# Altium PCB 小车PCB升级.PcbDoc (part 3 of 3) (continued)
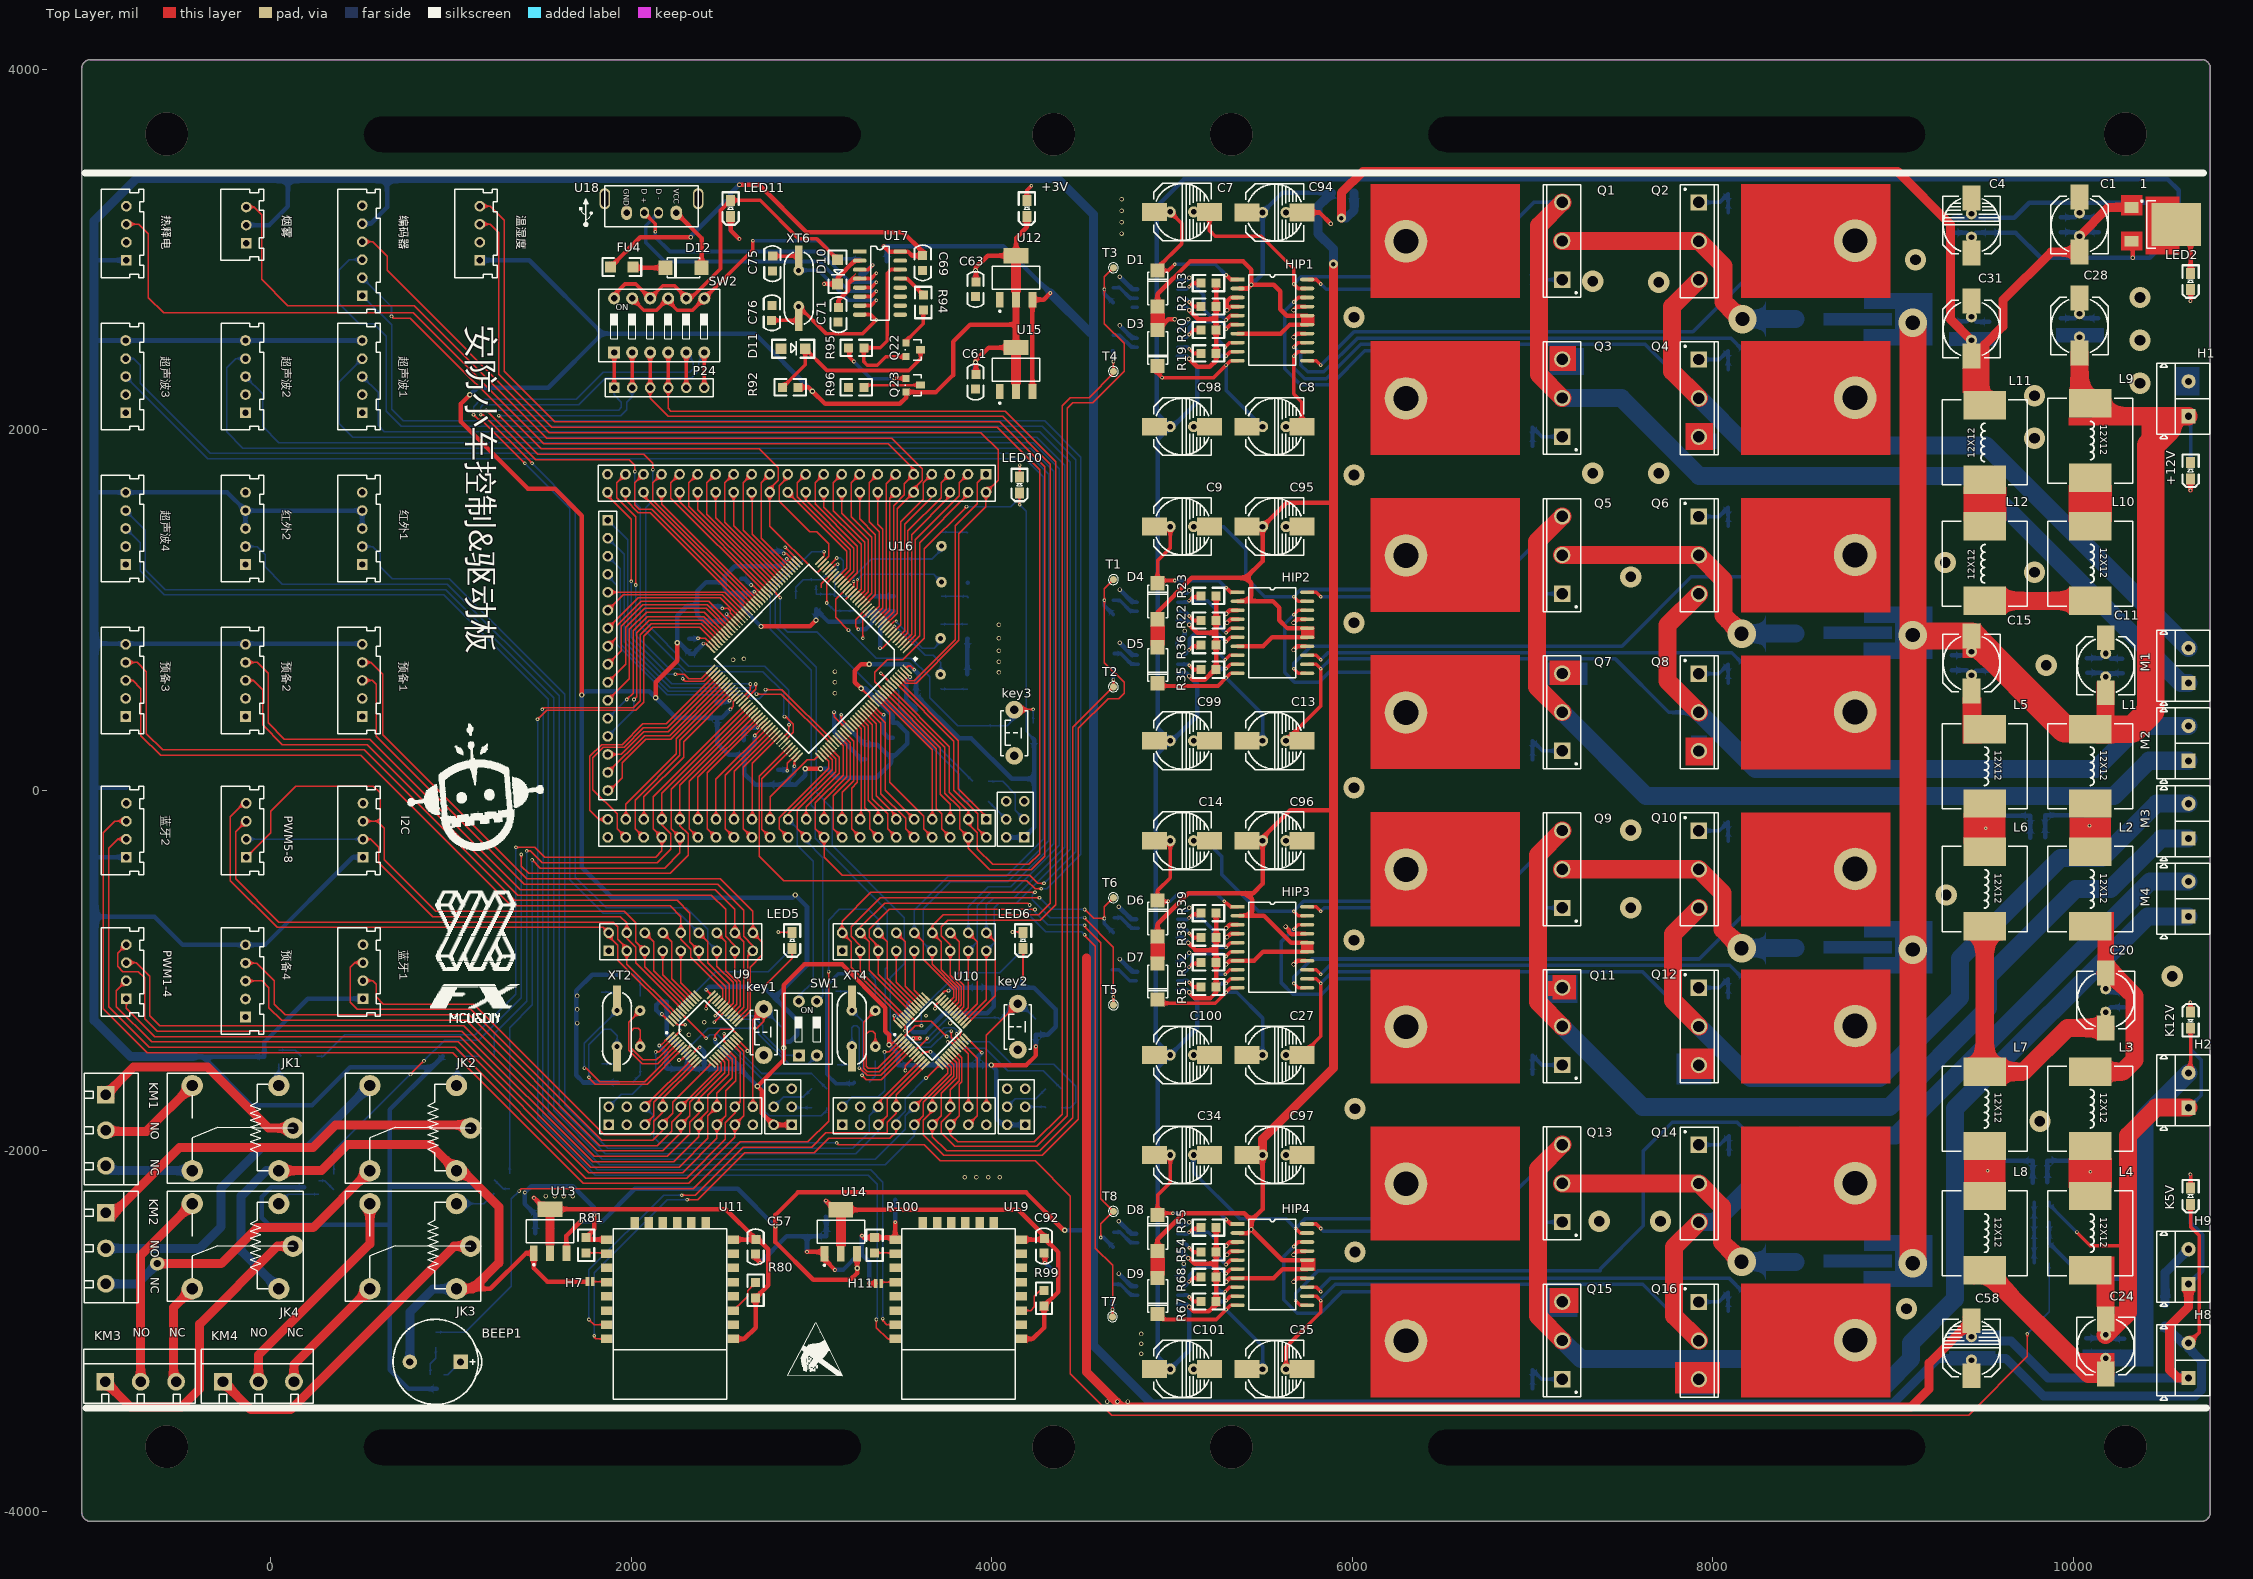
[diagram p0: Top Layer view]
## Nets (pads, with @x,y where several pads share a name; then routed paths per layer and width w, separated by ;. In a path a pad name is that pad's centre, name@x,y a point inside that pad or via, vN(x,y) a via of type N, cw(c..) or ccw(c..) an arc to the next point about the centre after c; other vN are vias at no path point) (continued)
PG6: P27.34 U16.91 | length 863.8
  Top Layer w8: P27.34@2370,-260 2321.95,-211.95 2321.95,52.57 U16.91@2697.64,428.26
PG7: P27.33 U16.92 | length 715.8
  Top Layer w8: P27.33@2370,-160 2370,72.78 U16.92@2704.49,407.27 U16.92@2711.56,414.34
PG8: P27.32 U16.93 | length 806.3
  Top Layer w8: P27.32@2470,-260 2421.95,-211.95 2421.95,97.34 2725.04,400.42 U16.93@2725.48,400.42
PG9: P27.14 U16.124 | length 711.8
  Top Layer w8: U16.124@3246.07,400.42 3295,351.49 3295,-95 3321.95,-121.95 3321.95,-211.95 P27.14@3370,-260
PG10: P27.13 U16.125 | length 619.9
  Top Layer w8: U16.125@3259.99,414.34 U16.125@3267.06,407.27 3315,359.33 3315,-55 3370,-110 P27.13@3370,-160
PG11: P27.12 U16.126 | length 769.5
  Top Layer w8: U16.126@3273.91,428.26 3336.95,365.22 3336.95,-45 3421.95,-130 3421.95,-211.95 P27.12@3470,-260
PG12: P27.11 U16.127 | length 677.6
  Top Layer w8: U16.127@3287.83,442.18 3360,370.01 3360,-30 3470,-140 P27.11@3470,-160
PG13: P27.10 U16.128 | length 827.2
  Top Layer w8: U16.128@3301.75,456.1 3385,372.85 3385,-18.05 3521.95,-155 3521.95,-211.95 P27.10@3570,-260
PG14: P27.9 U16.129 | length 735.4
  Top Layer w8: U16.129@3315.67,470.02 3410,375.69 3410,0 P27.9@3570,-160
PG15: P27.8 U16.132 | length 901.3
  Top Layer w8: U16.132@3357.42,511.78 3435,434.2 3435,45 3621.95,-141.95 3621.95,-211.95 P27.8@3670,-260
RESET: C93.1 key3.1 R101.1 U16.25 | length 1732.4
  Top Layer w8: U16.25@3190.39,1115.88 3135,1060.49 3135,960 v1(3205,890) ; key3.1@4125,447.95 4127.05,450 v1(4230,450)
  Bottom Layer w8: v1(3205,890) 3360,735 3550,735 3655,630 3655,515 3810,360 C93.1@4020,360 4085,360 4125,400 key3.1@4125,447.95 ; R101.1@4230,372.64 v1(4230,450)
VCC3.3V: +3V.1 C36.2 C37.2 C38.2 C39.2 C40.2 C41.2 C42.2 C43.2 C44.2 C45.2 C61.2 C62.2 C63.2 C64.2 C74.1 C81.2 C82.2 C83.2 C84.2 C85.2 C86.2 C87.2 C88.2 C89.2 C90.2 C91.2 LED5.1 LED6.1 LED10.1 P12.1 P12.2 P13.1 P13.2 P29.1 P29.2 Q23.2 R74.2 R75.2 R92.2 R98.2 R101.2 U9.1 U9.9 U9.24 U9.36 U9.48 U10.1 U10.9 U10.24 U10.36 U10.48 U12.2 U15.2 U16.6 U16.17 U16.39 U16.52 U16.62 U16.72 U16.84 U16.95 U16.108 U16.121 U16.131 U16.144 温湿度.1 | length 31371.6
  Top Layer w8: v1(2735,-1090) 2892.94,-932.06 LED5.1@2892.94,-877.06 ; LED10.1@4153.8,1650 4153.8,1586.2 v1(4155,1585)
  Top Layer w10: v1(2155,-1415) 2162.26,-1415 U9.1@2215.5,-1361.77 ; v1(2170,-1240) 2170,-1241.11 U9.48@2215.5,-1286.6 ; U9.9@2326.85,-1473.12 2374.98,-1425 v1(2380,-1425) ; v1(2400,815) 2413.91,815 U16.72@2440.02,788.89 U16.72@2447.09,781.82 ; v1(2415,-1105) 2443.49,-1133.49 U9.36@2443.77,-1133.49 ; v1(2465,-1380.31) 2465,-1355.15 2495.15,-1325 2560.12,-1325 U9.24@2596.89,-1361.77 ; v1(2529.09,978.65) 2529.09,978.21 U16.62@2579.22,928.08 U16.62@2586.29,921.01 ; v1(2550,450) 2566,466 2566,491.49 U16.84@2600.21,525.7 ; v1(2682.84,1102.84) U16.52@2725.48,1060.21 ; v1(2685,305) 2752.59,372.59 U16.95@2753.32,372.59 ; v1(2862.59,1285) U16.39@2906.43,1241.16 ; v1(2905,135) 2905,162.36 U16.108@2927.2,184.56 U16.108@2934.27,191.63 ; v1(3165,420) 3165,397.98 U16.121@3204.31,358.67 ; v1(3260,895) 3245,910 3245,947.78 U16.17@3301.75,1004.53 ; v4(3275,566.37) U16.131@3343.5,497.86 ; v1(3380,790) 3393.45,790 U16.6@3454.86,851.41 ; v4(3430,-1410) 3442.26,-1410 U10.1@3480.5,-1371.77 ; v1(3460,-1249.93) 3456.97,-1252.96 3456.97,-1273.08 U10.48@3480.5,-1296.6 ; U16.144@3524.46,678.81 3535.64,690 3550,690 v1(3570,670) ; U10.9@3591.85,-1483.12 3624.98,-1450 v1(3660,-1450) ; U10.36@3708.77,-1143.49 3740,-1112.26 3757.74,-1112.26 v1(3760,-1110) ; U10.24@3861.89,-1371.77 v1(3945.12,-1455) ; v1(4170,-1040) 4173.8,-1036.2 LED6.1@4173.8,-877.06
  Top Layer w25: v4(1105,2195) 1055,2145 1055,2045 1425,1675 1575,1675 1725,1525 v4(1725,530) ; v4(2135,515) 2135,600 2255,720 v4(2255,820) ; v4(2720,910) 2990,910 v4(3025,945) ; P12.1@2890,-1855 P12.2@2790,-1855 2725,-1790 2725,-1665 v4(2700,-1640) 2845,-1495 v4(2845,-1428.18) 2845,-1080 2960,-965 3170,-965 3410,-1205 3410,-1335 3430,-1355 v4(3430,-1410) ; R92.2@2925,2237.06 2982.94,2237.06 v4(3005,2215) 3075,2145 3490,2145 3525,2180 Q23.2@3525,2210.56 ; v4(2965,120) v4(3050,120) ; v4(3275,566.37) 3240,601.37 3240,665 3275,700 v4(3320,700) ; Q23.2@3525,2211.06 Q23.2@3525,2210.56 ; C61.2@3912,2308.36 v4@3912,2375 ; v4@3912,2387 3982.05,2457.05 U15.2@4135.17,2457.05 4135.17,2585 ; C63.2@3912,2822 3912,2902 3977.05,2967.05 U12.2@4135.17,2967.05 4135.17,3065.17 4195,3125 +3V.1@4195,3184 ; v4(3997,-1523) 4192,-1523 4245,-1470 v1(4245,-1420) ; U12.2@4135.17,2722.95 4135.17,2585 ; Q23.2@3525,2210.56 3690.56,2210.56 3785,2305 3785,2490 3880,2585 4135.17,2585
  Bottom Layer w8: v1(4155,1585) 4190,1550 4190,327.64 R101.2@4230,287.64
  Bottom Layer w25: v4(1105,2195) 1145,2235 1540,2235 1840,2535 ; 温湿度.1@1160,2941.77 1433.23,2941.77 1840,2535 ; v1(2155,-1415) 2195,-1455 C41.2@2195,-1540 2200,-1545 2310,-1545 ; v1(2170,-1240) 2160,-1240 2140,-1220 2140,-1190 2158,-1172 C38.2@2197,-1172 2197,-1352 2310,-1465 2310,-1545 ; v1(2380,-1425) 2405,-1450 C40.2@2405,-1545 ; v1(2400,815) 2345,760 C88.2@2325,760 2255,830 2255,970 2310,1025 2365,1025 ; v1(2415,-1105) 2432,-1088 C36.2@2630,-1088 2733,-1088 v1(2735,-1090) 2795,-1150 ; v1(2465,-1380.31) 2465,-1395 2605,-1535 C39.2@2605,-1545 ; v1(2529.09,978.65) 2530,977.74 2530,960 2510,940 C74.1@2455,940 2400,940 2365,975 2365,1025 ; v1(2550,450) 2503,403 C91.2@2477,403 ; v1(2682.84,1102.84) 2673,1093 C87.2@2612,1093 ; v1(2685,305) 2685,256 C90.2@2627,198 ; v4(2700,-1640) C39.2@2605,-1545 ; v4(2720,910) 2612,1018 C87.2@2612,1093 ; v4(2845,-1428.18) R74.2@2845,-1395 2880,-1395 2920,-1355 2920,-1275 2795,-1150 ; v1(2862.59,1285) 2862.59,1282.59 2825,1245 C89.2@2785,1245 2575,1245 2520,1190 2520,1155 ; v1(2905,135) 2905,95 2843,33 ; v4(2965,120) 2965,85 2913,33 2843,33 ; v4(3005,2215) 2685,2535 1840,2535 ; v4(3025,945) R98.2@3025,1004.64 3094.64,935 3265,935 3320,990 C85.2@3345,990 ; v4(3050,120) 3087.5,120 3137.5,70 3360,70 3440,150 3440,195 ; v1(3165,420) 3165,385 C82.2@3295,255 3365,255 3425,195 3440,195 ; v1(3260,895) 3300,895 3345,940 C85.2@3345,990 ; v4(3275,566.37) 3297.48,566.37 3450,413.84 C81.2@3450,375 3475,375 3530,320 3530,260 3465,195 3440,195 ; v4(3320,700) 3540,700 v1(3570,670) 3595,645 3595,620 3580,605 C83.2@3580,530 3820,290 3885,290 4110,65 4235,65 ; v1(3380,790) 3380,918 C84.2@3457,995 C85.2@3350,995 C85.2@3345,990 ; v4(3430,-1410) 3480,-1460 C37.2@3480,-1523 C42.2@3923,-1523 ; v1(3460,-1249.93) 3510,-1249.93 3537,-1222.93 ; C44.2@3537,-1177 3537,-1222.93 ; v1(3660,-1450) 3703,-1493 C45.2@3703,-1513 ; v1(3760,-1110) 3777,-1093 C43.2@3920,-1093 4010,-1093 ; C62.2@3908,2310 3908,2373 v4(3910,2375) ; C64.2@3908,2822 3910,2824 v4(3910,2885) ; v1(3945.12,-1455) 3945,-1455 3923,-1477 C42.2@3923,-1523 ; P29.2@4080,-260 P29.1@4180,-260 4235,-205 4235,65 ; v1(4170,-1040) 4170,-1093 ; P13.1@4185,-1855 P13.2@4085,-1855 4060,-1855 4025,-1820 4025,-1551 v4(3997,-1523) C42.2@3923,-1523 ; R101.2@4230,287.64 4235,282.64 4235,65 ; v1(4245,-1420) R75.2@4245,-1355 4310,-1355 4355,-1310 4355,-1215 4233,-1093 4170,-1093 ; 2310,-1545 C40.2@2405,-1545 ; 2365,1025 2365,1105 2415,1155 2520,1155 ; C40.2@2405,-1545 C39.2@2605,-1545 ; C91.2@2477,403 2247,403 v4(2135,515) 2100,550 1745,550 v4(1725,530) 1725,-425 1895,-595 2895,-595 v4(2910,-580) 2975,-645 2975,-970 2795,-1150 ; C91.2@2477,403 2477,261 2540,198 C90.2@2627,198 ; 2520,1155 2520,1120 2547,1093 C87.2@2612,1093 ; C90.2@2627,198 2627,93 2687,33 C86.2@2817,33 2843,33 ; 3537,-1222.93 3537,-1312 3565,-1340 3630,-1340 3735,-1235 3975,-1235 4010,-1200 4010,-1093 ; 4010,-1093 4170,-1093
VCC5V: C58.1 C59.2 C60.2 C69.1 C70.1 FU3.2 FU4.1 H8.2 I2C.1 K5V.1 Q17.1 Q18.1 Q19.1 Q20.1 Q21.1 R91.2 U12.3 U13.3 U14.3 U15.3 U17.16 烟雾.2 热释电.1 红外1.3 红外1.4 红外2.3 红外2.4 编码器.5@507.73,3145 蓝牙1.1 蓝牙2.1 超声波1.5 超声波2.5 超声波3.5 超声波4.5 预备1.5 预备2.5 预备3.5 预备4.5 | length 47632.7
  Top Layer w20: H8.2@10640,-3065 10700,-3005 10700,-2470 10651,-2421 K5V.1@10651,-2296
  Top Layer w25: U13.3@1640.55,-2567.05 1640.55,-2469.45 v2(1720,-2390) ; FU4.1@1885,2904.24 2050.76,3070 v2(2330,3070) ; v2(2600,3360) 2710,3360 2972.5,3097.5 3507.5,3097.5 3617,2988 C69.1@3617,2967 3558,2967 3535,2990 U17.16@3492.5,2990 3430,2990 v1(3400,3020) ; U14.3@3253.03,-2570.35 v4(3253.03,-2650) 3253.03,-2676.97 3215,-2715 3010,-2715 2800,-2505 v1(2800,-2420) 2800,-2355 2925,-2230 4190,-2230 4400,-2440 v4(4405,-2440) ; U15.3@4225.72,2212.95 U12.3@4225.72,2722.95 4287.95,2722.95 v1(4325,2760)
  Bottom Layer w25: -980,-700 -645,-700 -488.23,-856.77 预备4.5@-140,-856.77 -31.77,-856.77 455,-370 I2C.1@511.67,-370 ; -980,-380 -970,-370 蓝牙2.1@-801.06,-370 ; -980,815 503.49,815 预备1.5@507.73,810.76 ; -980,1645 -971.35,1653.65 超声波4.5@-805,1653.65 -240.74,1653.65 红外2.4@-140.24,1553.15 ; -980,2485 -968.47,2496.53 超声波3.5@-805,2496.53 超声波2.5@-140,2496.53 超声波1.5@507.73,2496.53 ; -980,2945 -976.77,2941.77 热释电.1@-801.06,2941.77 ; -970,15.73 -801.06,15.73 ; -430,-1477 -375,-1477 ; 红外2.3@-140,1453.65 -140.24,1453.88 红外2.4@-140.24,1553.15 ; 烟雾.2@-136.67,3136.85 -8.15,3136.85 95,3240 95,3395 ; Q21.1@185,-2202 3,-2202 -50,-2255 -50,-2370 -10,-2410 655,-2410 660,-2405 ; 红外1.3@507.73,1453.65 507.49,1453.88 红外1.4@507.49,1553.15 红外2.4@-140.24,1553.15 ; 编码器.5@507.73,3145 555,3145 645,3235 645,3395 ; 蓝牙1.1@511.67,-1155 205,-1155 -35,-1395 Q18.1@-35,-1477 -375,-1477 ; Q17.1@922,-3320 765,-3320 660,-3215 660,-2405 ; Q19.1@955,-1475 895,-1535 ; Q20.1@1160,-2197 668,-2197 660,-2205 ; v2(1720,-2390) 1840,-2390 2020,-2210 2590,-2210 v1(2800,-2420) ; v2(2330,3070) 2325,3070 2524,3269 R91.2@2550,3269 2550,3310 v2(2600,3360) ; C70.1@3418,2937 3418,3002 v1(3400,3020) 4065,3020 v1(4325,2760) ; v4(4405,-2440) 4540.98,-2440 4564,-2463.02 ; C59.2@9332,-3137 9411.83,-3137 C58.1@9435,-3160.17 9458.17,-3137 C60.2@9542,-3137 ; -375,-1477 -107,-1745 230,-1745 440,-1535 895,-1535 ; 660,-2405 660,-2205 ; 660,-2205 660,-1770 895,-1535
  Bottom Layer w50: -430,-1477 -778,-1477 -980,-1275 -980,-700 -980,-380 -980,815 -980,1645 -980,2485 -980,2945 -980,3160 -745,3395 95,3395 645,3395 4202.02,3395 4203.02,3396 4364,3396 4565,3195 4565,-2462.02 4564,-2463.02 4564,-3079 4890,-3405 8995,-3405 9250,-3150 9350,-3150 9360,-3160 ; v1(4325,2760) 4544,2541 ; C60.2@9528,-3150 9625,-3150 9835,-3360 10675,-3360 10710.37,-3324.63 10710.37,-3174.63 10715,-3170 10640,-3095 H8.2@10640,-3065 10605,-3065 FU3.2@10510,-2970
VDDA: C78.2 C79.2 H10.2 R98.1 U16.33 | length 611.6
  Top Layer w8: U16.33@3079.04,1227.24 3140,1288.2 v1(3140,1290)
  Bottom Layer w8: H10.2@3025,1140 R98.1@3025,1089.64 3119.36,1089.64 C78.2@3130,1079 ; v1(3140,1290) 3160,1290 3175,1275 3175,1225 3130,1180 C78.2@3130,1079 ; C79.2@3238,1079 C78.2@3130,1079
VREF+: C80.2 H10.1 U16.32 | length 432.6
  Top Layer w8: U16.32@3092.95,1213.32 3134.64,1255 v1(3145,1255)
  Bottom Layer w8: C80.2@2913,1064 C80.2@2913,1079 2913,1128 2955,1170 H10.1@3025,1170 3050,1170 3100,1220 3135,1220 3145,1230 v1(3145,1255)
公共: JK1.3 KM1.1 | length 1242.3
  Top Layer w50: KM1.1@-915,-1688.15 -761.85,-1535 -350,-1535 -11.73,-1873.27 JK1.3@123.74,-1873.27
公共1: JK2.3 KM2.1 | length 2233.8
  Top Layer w50: KM2.1@-915,-2343.15 -868.15,-2343.15 -505,-1980 235,-1980 360,-1855 1090.79,-1855 JK2.3@1109.06,-1873.27
公共2: JK3.3 KM4.1 | length 1813.8
  Top Layer w50: KM4.1@-265,-3280 -110,-3435 110,-3435 1016.73,-2528.27 JK3.3@1109.06,-2528.27
公共3: JK4.3 KM3.1 | length 1680.7
  Top Layer w50: KM3.1@-918.7,-3280 -778.7,-3420 -495,-3420 -395,-3320 -395,-2960 36.73,-2528.27 JK4.3@123.74,-2528.27
常开: JK1.5 KM1.2 | length 588
  Top Layer w50: KM1.2@-915,-1885 -908.27,-1891.73 -690,-1891.73 JK1.5@-435.32,-1637.05
常开1: JK2.5 KM2.2 | length 1965
  Bottom Layer w50: KM2.2@-915,-2540 -395,-2540 -275,-2420 -275,-2205 -50,-1980 207.05,-1980 JK2.5@550,-1637.05
常开2: JK3.5 KM4.2 | length 1244
  Top Layer w50: KM4.2@-68.15,-3280 -68.15,-3133.15 550,-2515 JK3.5@550,-2292.05
常开3: JK4.5 KM3.2 | length 1106.6
  Top Layer w50: KM3.2@-721.85,-3280 -721.85,-2578.58 JK4.5@-435.32,-2292.05
常闭: JK1.4 KM1.3 | length 491.1
  Bottom Layer w50: KM1.3@-915,-2081.85 -887.36,-2109.49 JK1.4@-435.32,-2109.49
常闭1: JK2.4 KM2.3 | length 1724.9
  Top Layer w50: v9(-630,-2625) -275,-2625 -75,-2425 234.49,-2425 JK2.4@550,-2109.49
  Bottom Layer w50: KM2.3@-915,-2736.85 -741.85,-2736.85 v9(-630,-2625)
常闭2: JK3.4 KM4.3 | length 690
  Top Layer w50: KM4.3@128.7,-3280 128.7,-3185.79 JK3.4@550,-2764.49
常闭3: JK4.4 KM3.3 | length 565.1
  Top Layer w50: KM3.3@-525,-3280 -540,-3265 -540,-2869.17 JK4.4@-435.32,-2764.49
控地: 2.1 BEEP1.2 C36.1 C37.1 C38.1 C39.1 C40.1 C41.1 C42.1 C43.1 C44.1 C45.1 C47.1 C48.1 C49.1 C50.1 C51.2 C52.2 C53.1 C54.1 C55.1 C56.1 C57.1 C58.2 C59.1 C60.1 C61.1 C62.1 C63.1 C64.1 C65.1 C66.1 C67.1 C68.1 C69.2 C70.2 C71.2 C72.1 C73.1 C74.2 C75.1 C76.1 C77.1 C80.1 C81.1 C82.1 C83.1 C84.1 C85.1 C86.1 C87.1 C88.1 C89.1 C90.1 C91.1 C92.1 C93.2 H7.1 H8.1 H9.1 H11.1 I2C.4 JK1.1 JK2.1 JK3.1 JK4.1 key1.2 key2.2 key3.2 P1.1 P2.1 P2.3 P2.4 P2.17 P5.1 P5.3 P5.4 P5.17 P6.1 P12.5 P12.6 P13.5 P13.6 P26.43 P27.44 P29.5 P29.6 R81.1 R83.1 R84.1 R100.1 U1.3 U2.3 U3.3 U4.3 U5.3 U6.3 U7.3 U8.3 U9.8 U9.23 U9.35 U9.47 U10.8 U10.23 U10.35 U10.47 U11.15 U12.1 U13.1 U14.1 U15.1 U16.16 U16.31 U16.38 U16.51 U16.61 U16.71 U16.83 U16.94 U16.107 U16.120 U16.130 U16.143 U17.1 U18.4 U18.5 U18.6 U19.15 温湿度.2 烟雾.1 热释电.2 红外1.1 红外1.5 红外2.1 红外2.5 编码器.5@507.73,3245 蓝牙1.4 蓝牙2.4 超声波1.1 超声波2.1 超声波3.1 超声波4.1 预备1.1 预备2.1 预备3.1 预备4.1 | length 23663.1
  Top Layer w8: U9.47@2229.41,-1272.69 2256.73,-1300 v1(2300,-1300) ; v1(2265,-1495) 2277.14,-1495 U9.8@2312.93,-1459.21 ; v1(2370,845) 2411.75,845 U16.71@2453.94,802.81 U16.71@2461.01,795.74 ; v1(2415,-1210) 2415,-1190.1 U9.35@2457.69,-1147.41 ; v1(2505.14,1010) 2505.27,1010.14 2534.86,1010.14 2549.09,995.91 2549.09,986.05 U16.61@2593.14,942 U16.61@2600.21,934.93 ; v1(2545,498.33) U16.83@2586.29,539.62 ; U9.23@2582.97,-1375.69 2645,-1437.72 v1(2645,-1445) ; v1(2665,1140) 2673.97,1140 2739.4,1074.57 U16.51@2739.4,1074.13 ; v7(2700,347.1) U16.94@2732.33,379.43 2739.4,386.51 U16.94@2739.85,386.51 ; v1(2845,1315) 2860.88,1315 2882.59,1293.28 2882.59,1292.84 U16.38@2913.28,1262.15 U16.38@2920.35,1255.08 ; v1(2865,110) 2865,150.2 U16.107@2913.28,198.48 U16.107@2920.35,205.55 ; 3055,1125 3055,1147.53 U16.31@3113.95,1206.47 ; v1(3125,435) 3125,409.69 3189.95,344.75 U16.120@3190.39,344.75 ; v1(3285,845) 3285,959.94 U16.16@3315.67,990.61 ; U16.130@3329.59,483.94 3329.59,483.5 3393.08,420 v1(3400,420) ; U10.47@3494.41,-1282.69 3520,-1308.27 3520,-1331.72 v1(3518.21,-1333.51) ; U16.143@3510.54,664.89 3545.9,629.53 v1(3546.76,629.53) ; v1(3521,-1553.53) 3520,-1552.53 3520,-1527.14 U10.8@3577.93,-1469.21 ; v1(3685,-1210) 3685,-1195.1 U10.35@3722.69,-1157.41 ; v1(3825.88,-1334.12) 3825.44,-1334.56 3825.44,-1363.16 U10.23@3847.97,-1385.69
  Top Layer w20: U13.1@1459.45,-2600 U13.1@1459.45,-2567.05
  Top Layer w25: 1120.51,-2764.49 1218.31,-2764.49 1415.75,-2567.05 U13.1@1459.45,-2567.05 ; U13.1@1459.45,-2600 1459.45,-2649.45 1535,-2725 1745,-2725 ; v1(1795,-2355) 1795,-2435 R81.1@1750,-2480 1761.3,-2491.3 U11.15@1865,-2491.3 ; C57.1@2690,-2572 2690,-2595 v1(2715,-2620) ; v1(2975,-2560) 3061.57,-2560 U14.1@3071.93,-2570.35 3071.93,-2601.93 v1(3130,-2660) ; v1(3280,-2470) 3290,-2480 R100.1@3350,-2480 3452.91,-2480 U19.15@3464.21,-2491.3 3464.21,-2395.79 v1(3465,-2395) ; v1(3320,-2735) H11.1@3357.06,-2735 ; v1(3565,-1375) v1(3600,-1375) ; C92.1@4290,-2567 4295,-2572 v1(4295,-2620)
  Top Layer w50: JK1.1@45,-2109.49 280.51,-2109.49 425,-1965 885.83,-1965 JK2.1@1030.31,-2109.49 1064.49,-2109.49 1265,-2310 1265,-2620 1120.51,-2764.49 JK3.1@1030.31,-2764.49 ; 4525,-930 4525,-3225 4693.75,-3393.75 4720,-3420 9100,-3420 9200,-3320 9200,-3177.17 C58.2@9435,-2942.17 ; H8.1@10640,-3258.7 10578.7,-3258.7 10535,-3215 10535,-2970 10640,-2865 H9.1@10640,-2738.7
  Bottom Layer w8: v1(3518.21,-1333.51) v1@3521.49,-1333.51
  Bottom Layer w20: C49.1@3238,-1620 3232,-1626 3136,-1626 3085,-1575 3085,-1080 3148,-1017 C55.1@3238,-1017 ; U4.3@4780,750 U4.3@4807.5,750 ; U3.3@4780,1045 U3.3@4807.5,1045 ; U2.3@4780,2510 U2.3@4807.5,2510
  Bottom Layer w25: C66.1@1468,-2457 C65.1@1468,-2352 1410,-2294 v1(1410,-2230) 1445,-2195 1675,-2195 1795,-2315 v1(1795,-2355) ; C47.1@1925,-1620 1735,-1620 1695,-1580 1695,-1110 1783,-1022 C53.1@1928,-1022 ; C88.1@2323,842 2367,842 v1(2370,845) ; C74.2@2453,1022 2493.14,1022 v1(2505.14,1010) ; C91.1@2475,485 2475,491 2537.67,491 v1(2545,498.33) ; C87.1@2610,1175 2630,1175 v1(2665,1140) ; C90.1@2625,280 2625,335 2637.1,347.1 v7(2700,347.1) ; v1(2715,-2620) 2863,-2472 2975,-2472 ; C89.1@2783,1327 2833,1327 v1(2845,1315) ; C86.1@2815,115 2860,115 v1(2865,110) ; v1(2975,-2560) 2975,-2472 ; C67.1@3080,-2365 3082.19,-2367.19 C68.1@3082.19,-2472 2975,-2472 ; v1(3125,435) 3125,325 3277,173 C82.1@3297,173 ; v1(3130,-2660) 3175,-2660 3270,-2565 3280,-2575 ; v1(3280,-2470) 3280,-2575 ; v1(3320,-2735) 3320,-2615 3280,-2575 ; C85.1@3348,1077 C84.1@3455,1077 ; v1(3400,420) 3400,320 3427,293 C81.1@3452,293 ; v1(3465,-2395) 3465,-2270 ; 3525,-1375 v1(3565,-1375) ; v1(3546.76,629.53) 3546.76,626.76 3525,605 3525,505 C83.1@3582,448 ; C72.1@3865,645 3865,841 C73.1@3867,843 ; C77.1@3867,1153 C77.1@3868,1152 ; v1(4295,-2620) 4330,-2655 ; v2(4705,-2680) 4775,-2750 U8.3@4802.5,-2750 ; v2(4705,-2390) 4775,-2460 U7.3@4802.5,-2460 ; v2(4705,-645) 4775,-715 U5.3@4802.5,-715 ; v2(4710,-935) 4780,-1005 U6.3@4807.5,-1005 ; v2(4710,820) U4.3@4780,750 ; v2(4710,1115) U3.3@4780,1045 ; v2(4710,2580) U2.3@4780,2510 ; v2(4710,2850) 4780,2780 U1.3@4807.5,2780 ; C59.1@9330,-3055 9410.17,-3055 C58.2@9435,-3030.17 9459.83,-3055 C60.1@9540,-3055 ; H9.1@10640,-2738.7 10715,-2663.7 10715,-2465 10651,-2401 R84.1@10651,-2290
  Bottom Layer w50: JK4.1@45,-2764.49 -165,-2554.49 -165,-2250 -24.49,-2109.49 JK1.1@45,-2109.49 ; BEEP1.2@771.41,-3170 771.41,-2893.59 900.51,-2764.49 JK3.1@1030.31,-2764.49 ; C60.1@9540,-3055 9655,-3055 9858.7,-3258.7 H8.1@10640,-3258.7
  other v1: 3635,-1250
  other v2: 4640,-3390 4697.5,-3390 4755,-3390 4830,-3125 4830,-3070 4830,-3015 1525,-2250 1575,-2250 1625,-2250 1675,-2250 3850,-2145 3915,-2145 3980,-2145 4045,-2145 2320,-1355 1700,-1290 3770,-1290 2405,-1285 1700,-1215 1700,-1140 3130,540 3130,600 4040,655 3130,660 4040,715 2565,725 2625,730 4040,775 4040,845 4040,920 4720,3090 4720,3153.33 4720,3216.67 4720,3280
pads on no net: D11.1 Q1.4 Q2.4 Q3.4 Q4.4 Q5.4 Q6.4 Q7.4 Q8.4 Q9.4 Q10.4 Q11.4 Q12.4 Q13.4 Q14.4 Q15.4 Q16.4 R96.1 U1.1 U1.4 U2.1 U2.4 U3.1 U3.4 U4.1 U4.4 U5.1 U5.4 U6.1 U6.4 U7.1 U7.4 U8.1 U8.4 U9.34 U9.37 U10.34 U10.37 U11.2 U11.4 U11.5 U11.6 U11.7 U11.9 U11.10 U11.11 U11.12 U11.13 U11.14 U11.17 U11.19 U11.20 U16.103 U16.106 U17.9 U17.10 U17.11 U17.12 U17.15 U19.2 U19.4 U19.5 U19.6 U19.7 U19.9 U19.10 U19.11 U19.12 U19.13 U19.14 U19.17 U19.19 U19.20 热释电.4 超声波1.2 超声波2.2 超声波3.2 超声波4.2 预备1.2 预备2.2 预备3.2 预备4.2
copper on no net: | length 27.5
  Bottom Layer w20: 4780,2680 4807.5,2680
  other v6: 4344.12,-3642.12 5328.37,-3642.12 -576.58,-3641.12 10289,-3641.12 4344.02,3641.31 5328.27,3641.31 -576.68,3642.31 10288.9,3642.31

## Keep-outs
Keep-Out Layer:
  lines w5: -1049.78,0.01 -1049.78,3641.75 ; -1003.54,-4054.99 10713.22,-4054.99 ccw(c10708.7,-4002.54) 10760.97,-4008.75 ; -1003.54,-4054.74 cw(c-997.33,-4002.46) -1049.78,-4006.99 -1049.78,4009.01 cw(c-997.48,4002.8) -1002,4055.25 10715.22,4055.25 ; 10715.73,4055.25 cw(c10709.52,4002.97) 10761.22,4012.92 10761.22,-4008.75

## Other copper
Top Layer:
  rectangle net GND: 7093.97,2328.29 7240,2465
  rectangle net GND: 7850,1890 8000,2040
  rectangle net GND: 7095,585 7270,720
  rectangle net GND: 7850,140 8000,295
  rectangle net GND: 7086.48,-1140.14 7118.62,-1057.32
  rectangle net GND: 7110,-1160 7240,-1025
  rectangle net GND: 7825,-1600 8010,-1430
  rectangle net GND: 7095,-2900 7255,-2760
  rectangle net GND: 7790,-3345 8040,-3170
  rectangle net GND: 10400,2975 10590,3295
  rectangle net VCC3.3V: 4115,2470 4155,2685
  rectangle net VCC3.3V: 4107.69,2253.31 4162.69,2428.31
  rectangle net VCC3.3V: 4107.69,2763.31 4162.69,2938.31
  rectangle net F12V: 5715,-895 5785,-840
  rectangle net F12V: 5715,840 5790,910
  rectangle net F12V: 5715,2580 5790,2634
  rectangle net F12V: 5715,-2665 5745,-2600
  rectangle net F12V: 5735,-2665 5795,-2595
  rectangle net F12V: 4880,-2690 4960,-2590
  rectangle net F12V: 4880,-940 4960,-845
  rectangle net F12V: 4880,805 4960,915
  rectangle net +12V: 9385,735 9510,795
  rectangle net +12V: 10380,1925 10475,2055
  rectangle net NetC18_1: 9390,-155 9625,-125
  rectangle net MCU: 10015,-3220 10230,-3120
  rectangle net MCU12V: 10130,-2865 10230,-2585
  rectangle net NetC22_2: 9975,-2205 10215,-2040
  rectangle net NetC22_1: 9395,-2240 9625,-2045
  rectangle net NetC20_2: 10135,-945 10225,-675
  rectangle net NetC18_1: 9390,-295 9625,-155
  rectangle net NetC18_2: 9980,-265 10210,-150
  rectangle net GND: 9385,260 9490,515
  rectangle net +12V: 10130,260 10230,605
  rectangle net +12V: 9975,2025 10180,2070
  rectangle net IC12V: 9385,2205 9485,2345
  rectangle net F12V: 4880,2585 4960,2650
  rectangle net Net1_3: 10265,2995 10385,3100
  rectangle net IC12V: 10265,3190 10385,3305
  rectangle net ESPVCC2: 3135,-2530 3190,-2355
  rectangle net ESPVCC1: 1525,-2525 1575,-2350
  rectangle net NetL11_1: 9390,1495 9630,1685
  rectangle net NetL9_2: 9975,1490 10215,1695
  pour cut-out: 3503.24,745.05 3503.24,740.67 3504.75,739.17 3520,754.42 3520,755 3515,755 3510,760
Bottom Layer:
  rectangle net GND: 7095,2305 7285,2455
  rectangle net GND: 7945,1975 8000,2015
  rectangle net GND: 7860,1920 7965,2030
  rectangle net GND: 7870,1895 8020,1980
  rectangle net GND: 7085,585 7305,710
  rectangle net GND: 7880,265.53 7969.38,305
  rectangle net GND: 7859.34,150 7995,275
  rectangle net GND: 7085,-1180 7250,-1025
  rectangle net GND: 7800,-1630 7994.02,-1460.05
  rectangle net GND: 7065,-2920 7250,-2760
  rectangle net GND: 7815,-3355 8010,-3215
  rectangle net +12V: 8835,730 9010,820
  rectangle net +12V: 8840,930 9010,1020
  rectangle net +12V: 9010,730 9220,1020
  rectangle net NetDF4_2: 8615,-2645 8995,-2575
  rectangle net +12V: 9010,-2755 9220,-2465
  rectangle net NetDF3_2: 8615,-905 8995,-835
  rectangle net +12V: 9010,-1015 9220,-725
  rectangle net NetDF2_2: 8615,840 8995,910
  rectangle net NetDF1_2: 8615,2580 8995,2650
  rectangle net +12V: 9010,2470 9220,2760
  rectangle net +12V: 8840,-2555 9010,-2465
  rectangle net +12V: 8835,-2755 9010,-2665
  rectangle net +12V: 8840,-815 9010,-725
  rectangle net +12V: 8835,-1015 9010,-925
  rectangle net +12V: 8835,2470 9010,2560
  rectangle net +12V: 8840,2670 9010,2760
  rectangle net NetDF4_2: 8625,-2635 8860,-2595
  rectangle net NetDF3_2: 8620,-895 8860,-855
  rectangle net NetDF2_2: 8625,850 8860,890
  rectangle net NetDF1_2: 8625,2595 8875,2635
  rectangle net +12V: 9905,2485 10170,2565
  rectangle net IC12V: 9310,2465 9565,2545
  rectangle net VCC5V: 9310,-3190 9570,-3110
  rectangle net 控地: 9305,-3080 9600,-2995
  rectangle net MCU: 10310,-3195 10445,-3100
  rectangle net MCU: 10050,-3195 10310,-3100
  rectangle net GND: 10570,2190 10700,2350
  pour cut-out: 3269,1048 3269,1028 3257,1040 3250,1040
  pour cut-out: 2994,1058.64 2994,1035.64 2994.64,1035 3020,1035 3020,1055 3015,1060
  pour cut-out: 4253.59,-556.54 4253.46,-556.66 4253.46,-606.54 4246.73,-606.54 4235.2,-595 4245,-585.2 4245,-560
  pour cut-out: 3007.7,-13.9 3011.6,-10 3025,-10 3025,-40 3000,-40 3000,-12.5 2997.5,-10
  pour cut-out: 2852.08,-128.97 3018.97,-128.97 3020,-130 3015,-135 3015,-300 2850,-300
  pour cut-out: 8632,3208.18 8947,3208.18 8947,2888.18 8632,2888.18
  pour cut-out: 8632,2336.75 8947,2336.75 8947,2016.75 8632,2016.75
  pour cut-out: 8632,1465.32 8947,1465.32 8947,1145.32 8632,1145.32
  pour cut-out: 8632,593.9 8947,593.9 8947,273.9 8632,273.9
  pour cut-out: 8632,-277.53 8947,-277.53 8947,-597.53 8632,-597.53
  pour cut-out: 8632,-1148.96 8947,-1148.96 8947,-1468.96 8632,-1468.96
  pour cut-out: 8632,-2020.39 8947,-2020.39 8947,-2340.39 8632,-2340.39
  pour cut-out: 8632,-2891.82 8947,-2891.82 8947,-3211.82 8632,-3211.82
  pour cut-out: 6140,-2895 6455,-2895 6455,-3215 6140,-3215
  pour cut-out: 6140,-2023.57 6455,-2023.57 6455,-2343.57 6140,-2343.57
  pour cut-out: 6140,-1152.14 6455,-1152.14 6455,-1472.14 6140,-1472.14
  pour cut-out: 6140,-280.71 6455,-280.71 6455,-600.71 6140,-600.71
  pour cut-out: 6140,590.71 6455,590.71 6455,270.71 6140,270.71
  pour cut-out: 6140,1462.14 6455,1462.14 6455,1142.14 6140,1142.14
  pour cut-out: 6140,2333.57 6455,2333.57 6455,2013.57 6140,2013.57
  pour cut-out: 6140,3205 6455,3205 6455,2885 6140,2885

## Silkscreen, mask and mechanical layers (free items; w line width, h text height)
Top Overlay:
  drawing of 653 lines, arcs and shapes, not listed
  text "安防小车控制&驱动板" at 1055,2580 h236.22 r270
  text "NO" at -683,-1840 h78.74 r270
  text "NC" at -682.13,-2045 h78.74 r270
  text "NO" at -683,-2495 h78.74 r270
  text "NC" at -682.13,-2700 h78.74 r270
  text "NC" at -561.85,-3047.13 h78.74
  text "NC" at 91.85,-3047.13 h78.74
  text "NO" at -766.85,-3048 h78.74
  text "NO" at -113.15,-3048 h78.74
Bottom Overlay:
  lines w39.37: -1026,3424 18,3424 ; -1025,-3425 9732,-3425 ; -22,3425 10735,3425 ; 9730,-3425 10738,-3425

## Text inside footprints (layer, text, board x,y; h text height)
L1: Top Overlay "12X12" at 10150,222 h39.37 r270
L2: Top Overlay "12X12" at 10150,-458 h39.37 r270
L3: Top Overlay "12X12" at 10150,-1678 h39.37 r270
L4: Top Overlay "12X12" at 10150,-2368 h39.37 r270
L5: Top Overlay "12X12" at 9564,222 h39.37 r270
L6: Top Overlay "12X12" at 9564,-458 h39.37 r270
L7: Top Overlay "12X12" at 9564,-1678 h39.37 r270
L8: Top Overlay "12X12" at 9564,-2368 h39.37 r270
L9: Top Overlay "12X12" at 10150,2029.44 h39.37 r270
L10: Top Overlay "12X12" at 10150,1347 h39.37 r270
L11: Top Overlay "12X12" at 9454,1843 h39.37 r90
L12: Top Overlay "12X12" at 9454,1170.56 h39.37 r90
SW1: Top Overlay "ON" at 2940,-1250 h60
SW2: Top Overlay "ON" at 1915,2650 h60
U18: Top Overlay "VCC" at 2235.4,3339 h30 r270; Top Overlay "D -" at 2138.4,3339 h30 r270; Top Overlay "D +" at 2058.4,3339 h30 r270; Top Overlay "GND" at 1959.4,3339 h30 r270